# KiCad board st225_20527.kicad_pcb (continued)
## Routing (per net, layer and track width the routed paths; a pad name or vN(x,y) marks a point on that pad's centre or on a via; arc(x,y) is an arc through that point) (continued)
WRITE_FAULT: length 214.6
  Top w0.254: v1(86.36,17.65) 81.28,17.65 79.71,19.23 67.76,19.23 1C1.3 ; v1(51.31,61.21) v1(57.79,61.21)
  Top w0.762: 1C1.4 1C1.3
  Bottom w0.254: v1(86.36,17.65) 86.37,17.65 1D2.12 ; 8E1.12 83.18,161.92 81.91,160.66 81.91,145.29 80.14,143.51 RP7.4 78.74,140.59 78.74,136.14 76.2,133.6 70.48,133.6 68.58,131.7 68.58,127 67.31,125.73 67.31,123.44 62.74,118.87 62.74,115.7 61.6,114.55 60.2,114.55 55.88,110.24 55.88,105.03 47.12,96.27 47.12,68.2 49.02,66.29 52.96,66.29 57.79,61.47 v1(57.79,61.21) ; v1(51.31,61.21) 51.31,60.45 55.75,56.01 55.75,51.18 60.2,46.74 60.2,44.83 62.48,42.55 67.31,42.55 69.72,40.13 69.72,34.67 70.36,34.04 70.36,29.46 67.94,27.05 67.94,21.83 1C1.3
~{DC_UNSAFE}: length 71.5
  Top w0.254: v1(40.39,73.91) 37.85,71.37 21.84,71.37 20.7,72.52 18.01,72.52 4A1.10
  Bottom w0.254: v1(40.39,73.91) 40.39,74.8 38.99,76.2 38.99,103.89 44.34,109.24 5B1.37
~{INDEX}: length 16.9
  Bottom w0.254: 1D2.6 78.1,19.8 78.1,15.37 80.01,13.46 80.01,9.4 80.52,8.89 J1.20
~{OUT_EN}: length 192.2
  Top w0.254: 1D2.2 88.89,20.44 87.25,18.8 85.47,18.8 1D2.4 82.18,18.8 80.9,18.8 80.01,19.69 80.01,21.08 79.38,21.72 v1(77.47,21.72) 72.01,21.72 v1(71.25,22.48) 70.48,21.72 62.75,21.72 1C1.5 ; 4B1.10 4B1.5 v1(44.45,70.1)
  Bottom w0.254: 1D2.2 1D2.13 ; 1D2.9 77.47,14.09 v1(77.47,21.72) 74.17,25.02 74.17,26.8 77.34,29.97 77.34,31.86 1H1.6 77.34,34.67 77.34,40.01 76.58,40.77 72.64,40.77 69.47,43.94 62.74,43.94 61.47,45.21 61.47,47.88 57.02,52.32 57.02,57.4 55.37,59.06 55.37,60.33 51.31,64.39 46.99,64.39 44.45,66.93 v1(44.45,70.1) ; 1C1.9 57.65,14.1 46.86,14.1 44.45,16.51 44.45,24 42.93,25.53 ; 1C1.13 70.36,14.08 70.36,21.59 v1(71.25,22.48) ; 1C1.5 1C1.10
  Bottom w1.016: 1C1.9 1C1.10
~{READY}: length 8.7
  Bottom w0.254: 1D2.8 76.21,12.7 77.98,10.92 J1.22
~{SEEK_COMPLETE}: length 44.1
  Top w0.254: v1(93.22,12.07) 93.22,12.7 91.06,14.86 70.61,14.86 68.45,17.02 v1(64.01,17.02) ; 64.01,13.09 1C1.11
  Bottom w0.254: J1.8 95.76,8.13 v1(93.22,12.07) ; v1(64.01,17.02) 64.01,17.01 1C1.11
~{START}/RUN: length 114.1
  Top w0.254: 3B1.3 30.97,43.82 34.67,43.82 36.96,41.53 51.56,41.53 52.32,42.29 70.61,42.29 v1(74.17,45.85) ; R13.2 94.49,28.45 93.6,27.56 92.71,27.56 90.42,29.84 87.12,29.84 v1(86.36,30.61)
  Bottom w0.254: 2E1.1 102,23.1 99.46,25.64 97.02,25.64 95.63,27.03 95.63,31.62 R13.2 93.09,31.37 90.93,31.37 90.04,32.26 90.04,40.89 86.74,44.2 75.82,44.2 v1(74.17,45.85) ; v1(86.36,30.61) 86.37,30.6 1H1.12
~{TRACK000}: length 22.5
  Top w0.254: v1(90.17,18.42) 90.17,21.34 89.53,21.97 87.9,21.97 1D2.3
  Bottom w0.254: v1(90.17,18.42) 90.17,11.68 93.22,8.64 J1.10
~{WRITE_FAULT}: length 12.7
  Top w0.254: 1D2.11 83.82,12.7 86.36,10.16 v1(89.53,10.16)
  Bottom w0.254: v1(89.53,10.16) 90.68,9.02 J1.12
Net-(1B1A-B): length 10.8
  Top w0.254: 22.98,25.64 30.6,18.02
Net-(1B1A-Cext): length 2.9
  Bottom w0.762: C36.2 22.86,20.45 22.98,20.56
Net-(1B1A-Q): length 29.3
  Top w0.254: 3A1.2 16.26,41.52 v1(16.26,41.53)
  Bottom w0.254: v1(16.26,41.53) 16.26,25.02 19.69,21.59 21.46,21.59 22.98,23.1
Net-(1B1A-RCext): length 8.9
  Top w0.254: 20.32,17.91 17.69,17.91 C36.1
  Bottom w0.762: 22.98,18.02 22.86,17.91 20.32,17.91
Net-(1B1B-Cext): length 11.7
  Top w0.254: C44.2 20.07,28.07 21.46,29.46 27.05,29.46 28.33,28.18 30.6,28.18
Net-(1B1B-RCext): length 17.4
  Top w0.254: 30.6,30.72 28.46,30.72 27.05,32.13 21.97,32.13 20.54,30.7 20.54,30.6 18.02,30.6 15.49,28.07
Net-(1C1-Pad2): length 4.7
  Top w0.762: R10.1 C17.1
  Bottom w0.762: C17.1 69.09,22.83 1C1.2
Net-(1D2-Pad1): length 73.8
  Top w0.254: v1(60.45,35.31) 62.23,37.08 65.91,37.08 66.42,37.59 72.26,37.59 74.42,35.43 74.42,32.89 75.26,32.05 79.81,32.05 80.14,32.39 80.14,34.16 80.65,34.67 86.87,34.67 87.63,33.91 87.63,32.39 v1(88.9,31.12)
  Bottom w0.254: 1D2.1 90.17,21.71 90.17,26.8 90.81,27.43 93.73,27.43 94.49,28.19 94.49,29.84 93.6,30.73 89.28,30.73 v1(88.9,31.12) ; v1(60.45,35.31) 60.45,32.64 58.29,30.48 58.29,28.7 60.2,26.8 60.2,24.89 59.44,24.13 57.78,24.13 3J1.8
Net-(1H1-Pad2): length 155.2
  Bottom w0.254: 1H1.2 88.77,33.4 88.77,40.01 85.47,43.31 74.68,43.31 71.5,46.48 67.44,46.48 62.87,51.05 62.87,60.45 61.47,61.85 61.47,65.02 55.24,71.25 55.24,92.96 69.85,107.57 71.75,107.57 72.9,108.71 72.9,111 71.75,112.14 71.75,114.55 74.93,117.73 84.33,117.73 85.6,119 87,119 87.63,118.36 97.16,118.36 99.82,121.03 99.82,129.67 98.93,130.56 R21.1
Net-(1H1-Pad10): length 272.5
  Top w0.254: v1(123.06,25.91) 123.06,28.96 124.21,30.1 127,30.1 128.14,31.24 128.14,33.91 130.68,36.45 133.35,36.45 135.38,38.48 135.38,49.02 130.68,53.72 130.68,86.11 132.46,87.88 132.46,97.66 136.02,101.22 136.02,119.51 132.59,122.94 132.59,128.78 129.03,132.33 129.03,138.81 131.57,141.35 131.57,145.16 130.3,146.43 v1(130.3,149.48) ; 1H1.10 81.28,25.4 82.3,24.38 v1(93.34,24.38)
  Bottom w0.254: v1(93.34,24.38) 99.06,24.38 103,20.45 109.85,20.45 116.46,27.05 116.46,29.21 117.22,29.97 119,29.97 v1(123.06,25.91) ; v1(130.3,149.48) 130.3,159.13 127.89,161.54 127.89,179.58 135.64,187.33 135.64,192.66 131.19,197.1 R12.2
  Bottom w1.016: R12.2 104.9,194.56 C18.1
Net-(1H1-Pad11): length 26.5
  Top w0.254: 3J1.2 70.75,34.54 73.28,34.54 73.79,34.04 73.79,32.39 74.55,31.62 83.06,31.62 83.57,31.12 v1(83.82,31.12) 85.97,33.26 1H1.3
  Bottom w0.254: v1(83.82,31.12) 83.82,31.11 1H1.11
Net-(2E1-Pad2): length 113.8
  Top w0.254: R16.2 106.69,25.64 2E1.2 ; v1(97.41,55.12) 97.41,54.61 100.33,51.69 v1(100.33,50.93) ; v1(78.1,46.48) 77.72,46.48 72.9,41.66 52.96,41.66 52.2,40.89 35.31,40.89 34.93,41.28 30.97,41.28 3B1.2
  Bottom w0.254: v1(78.1,46.48) 78.23,46.36 90.55,46.36 97.41,53.21 v1(97.41,55.12) ; v1(100.33,50.93) 100.2,50.8 100.2,44.45 99.69,43.94 99.69,34.93 101.6,33.02 104.65,33.02 106.17,31.5 106.17,27.17 2E1.2
Net-(2E1-Pad3): length 68.5
  Top w0.254: v1(95.88,34.67) 98.93,31.62 v1(98.93,28.58)
  Bottom w0.254: 2E1.3 99.33,28.18 v1(98.93,28.58) ; v1(95.88,34.67) 95.88,50.04 103.25,57.4 103.25,85.6 104.14,86.49
Net-(2E1-Pad5): length 46.4
  Bottom w0.254: 107.82,71.5 105.92,71.5 104.65,70.23 104.65,58.04 97.79,51.18 97.79,31.49 97.02,30.72
Net-(3A1A-~{Q}): length 13.5
  Bottom w0.254: 3A1.6 21.57,50.42 23.62,50.42 24.26,49.78 24.26,42.68 3B1.13
Net-(3A1A-~{R}): length 30.9
  Top w0.254: RP12.2 32.77,40.26 21.59,40.26 3A1.1 20.3,38.99 16.64,38.99 14.1,41.52 12.69,41.52
  Bottom w0.254: 3A1.4 18.8,45.09 18.8,40.5 3A1.1
Net-(3A1B-D): length 11.3
  Bottom w0.254: 12.69,54.22 11.3,52.84 11.3,45.45 12.69,44.06
Net-(3A1B-Q): length 19.7
  Top w0.254: v1(16.38,51.56) 12.81,51.56 12.69,51.68
  Bottom w0.254: 4A1.2 16.38,63.5 16.38,60.96 16.51,60.83 16.51,51.69 v1(16.38,51.56)
Net-(3A1B-~{S}): length 29.2
  Top w0.254: 12.69,49.14 15.75,49.14 19.69,45.21 24.51,45.21 25.53,46.23 25.53,49.15 24.65,49.15 ; 24.65,49.15 24.64,49.14 3B1.10 ; 24.65,49.15 26.16,49.15 27.43,47.88 32.77,47.88 RP12.5
Net-(4A1A-Cext): length 13.4
  Top w0.254: 4A1.14 16,64.37 16,62.61 18.67,59.94 C22.2
Net-(4A1A-RCext): length 14
  Top w0.254: 4A1.15 14.22,63.61 14.22,60.96 15.24,59.94 C22.1 17.82,57.4 20.32,57.4
Net-(4A1B-Cext): length 15
  Bottom w0.254: 4A1.6 17.02,78.59 17.02,86.21 C23.2
Net-(4A1B-RCext): length 12.6
  Bottom w0.254: 4A1.7 17.65,80.5 17.65,83.44 R34.2 19.05,86.61 16.45,89.22 C23.1
Net-(4A1B-~{Q}): length 147.2
  Top w0.254: 5D1.39 74.41,129.79 87.12,129.79 87.63,130.31 6D1.13 ; 4A1.12 10.29,75.16 10.29,79.63 10.92,80.26 13.46,80.26 18.54,75.18 20.83,75.18 22.1,73.91 26.03,73.91 28.7,76.58 35.31,76.58 36.45,77.72 42.16,77.72 43.82,76.07 51.56,76.07 v1(52.58,75.06)
  Bottom w0.254: 6D1.13 87.63,130.43 87,129.79 87,125.1 81.53,119.63 73.03,119.63 72.39,119 71.75,119 67.31,114.55 67.31,111.25 63.5,107.44 63.5,105.03 52.58,94.11 v1(52.58,75.06)
Net-(4F1-COIL_A): length 2.6
  Bottom w0.508: 108.97,65.02 4F1.6
  Bottom w0.762: RP4.2 108.97,65.02
Net-(4F1-COIL_B): length 2.6
  Bottom w0.762: 4F1.7 108.97,62.48 RP4.3
Net-(4F1-FREF): length 12.1
  Bottom w0.254: Q7.3 116.7,54.32 4F1.1
  Bottom w0.762: R14.1 R15.1 116.82,60.06 4F1.1
Net-(4F1-SENSE): length 15.1
  Bottom w0.254: 4F1.5 112.27,67.68 ; 112.27,67.68 R23.2 ; 112.27,67.68 114.41,67.68 115.57,68.83 118.11,68.83 R17.2
Net-(5B1A-VCTAP): length 108.4
  Bottom w0.254: R44.1 107.31,165.61 106.17,166.75 103.76,166.75 102.36,168.15 102.36,170.43 101.73,171.07 100.33,171.07 99.82,170.56 99.82,169.16 98.55,167.89 85.85,167.89 82.04,164.08 82.04,161.54 81.28,160.78 81.28,152.4 65.53,136.65 65.53,125.48 58.42,118.36 51.82,118.36 49.53,116.08 49.53,109.71 5B1.39
Net-(5B1A-VHS): length 101.6
  Top w0.254: v1(85.22,165.35) v1(80.77,165.35)
  Bottom w0.254: v1(80.77,165.35) 79.38,163.96 79.38,160.91 80.65,159.64 80.65,153.16 64.9,137.41 64.9,126.11 57.91,119.13 47.75,119.13 47.12,118.49 47.12,109.84 5B1.38 ; v1(85.22,165.35) 101.09,165.35 103.65,162.79 8E1.20
Net-(5B1A-WDATA_IN+): length 126.6
  Top w0.254: R6.1 7.62,108.2 v1(7.62,112.14)
  Bottom w0.254: v1(7.62,112.14) 7.62,120.93 5B1.20 ; J2.14 11.3,9.4 12.06,10.16 12.06,12.07 9.4,14.73 9.4,42.04 5.59,45.85 5.59,62.48 6.86,63.75 6.86,105.16 8.51,106.81 R6.1
Net-(5B1A-WDATA_IN-): length 127.1
  Top w0.254: v1(13.46,11.43) 11.3,9.27 J2.13
  Bottom w0.254: 5B1.19 8.25,122.83 8.25,114.05 10.16,112.14 10.16,97.79 R6.2 8.51,96.65 7.62,95.76 7.62,63.25 6.22,61.85 6.22,46.61 10.03,42.8 10.03,15.37 13.46,11.94 v1(13.46,11.43)
Net-(5B1A-WDO+): length 125.4
  Top w0.254: v1(75.56,177.42) 76.33,178.18 83.34,178.18 9E1.8
  Top w0.762: R46.2 74.38,156.72 C6.1
  Bottom w0.254: v1(75.56,177.42) 75.56,172.85 73.03,170.31 73.03,161.67 74.29,160.4 C6.1 74.29,150.62 63.5,139.83 63.5,133.22 61.6,131.32 61.6,126.49 58.67,123.57 26.92,123.57 25.65,122.3 13.34,122.3 11.32,124.31 5B1.17
Net-(5B1A-WDO-): length 128.1
  Top w0.254: v1(13.97,120.4) 13.97,124.74 5B1.16 ; 9E1.7 84.48,176.78 v1(77.47,176.78)
  Bottom w0.254: v1(13.97,120.4) 14.73,121.16 26.67,121.16 27.69,122.17 59.69,122.17 64.13,126.62 64.13,138.56 75.56,149.99 75.56,171.2 77.47,173.1 v1(77.47,176.78)
  Bottom w0.762: R46.1 76.75,166.8 C6.2
Net-(5B1A-WRITE_CUR): length 48.8
  Top w0.254: R8.1 41.15,104.52 38.48,101.85 R7.2 ; v1(19.05,119.76) 19.05,124.74 5B1.14
  Top w1.016: R11.1 R8.1
  Bottom w0.254: R7.2 33.15,101.85 30.48,104.52 30.48,111 28.83,112.65 24.89,112.65 22.86,114.68 22.86,119.76 22.23,120.4 19.69,120.4 v1(19.05,119.76)
Net-(5B1A-WRT_OK): length 83.5
  Top w0.254: v1(21.59,119.13) 21.59,124.74 5B1.13
  Bottom w0.254: v1(21.59,119.13) 21.59,112.01 20.32,110.74 20.32,105.66 22.23,103.76 28.19,103.76 30.48,101.47 30.48,91.06 31.75,89.79 31.75,73.79 4B1.6 32.26,70.99 32.26,67.56 34.29,65.53 34.29,54.48 33.02,53.21 RP12.7
Net-(5B1A-~{WRT_FAULT}): length 97.1
  Bottom w0.254: 5B1.36 41.8,108.35 37.97,104.52 37.97,75.95 38.86,75.06 38.86,72.52 41.27,70.1 41.27,62.99 50.16,54.1 50.16,48.39 56.51,42.04 56.51,35.69 55.24,34.42 55.24,24.26 R10.2
Net-(5B1B-+GAIN): length 3.3
  Bottom w1.016: R4.2 44.34,125.08 5B1.4
Net-(5B1B--GAIN): length 2.6
  Bottom w1.016: L5.2 5B1.3
Net-(5B1B-DI+): length 28.1
  Bottom w1.016: TP1.1 52.2,141.35 59.69,133.86 L3.2 59.69,130.3 R3.1 59.94,127.33 C7.2 54.61,127.25 52.2,124.85 5B1.1
Net-(5B1B-DI-): length 13.3
  Bottom w1.016: 5B1.2 49.42,126.81 C7.1 49.78,127.33 R3.2 50.16,130.43 TP2.1 50.3,133.23 L4.2
Net-(5B1B-DO+): length 25.1
  Bottom w0.254: 5B1.7 38.1,126.22 38.1,130.94 R45.2 32.77,132.21 31.37,133.6 25.36,133.6 C10.1
  Bottom w1.016: R45.2 R48.1
Net-(5B1B-DO-): length 18.3
  Bottom w0.254: C13.1 25.23,128.52 30.5,128.52 5B1.8 34.42,124.85 R47.1
  Bottom w1.016: R49.1 R47.1
Net-(5B1C-+C1): length 30.1
  Bottom w0.254: 5B1.9 30.38,126.11 23.49,126.11 21.72,127.89 21.72,129.79 21.63,129.79 C10.2 ; C10.2 19.09,132.42 13.97,137.54 R51.1 ; C10.2 16.51,129.75 R50.1
Net-(5B1C-+C2): length 40.5
  Top w0.254: C42.1 5.08,141.78 L9.2
  Bottom w0.254: C42.1 9.02,135.64 13.97,130.68 R51.2 12.57,126.49 12.57,124.21 13.84,122.94 24.65,122.94 5B1.11
  Bottom w1.016: 5B1.11 5B1.10
Net-(5B1C--C2): length 31.1
  Bottom w0.254: R50.2 15.11,139.45 12.95,139.45 R52.1 11.56,135.64 15.24,131.95 15.24,124.08 15.75,123.57 22.73,123.57 24.01,124.85 5B1.12
Net-(5B1C-OA): length 40.6
  Top w0.254: RP1.3 28.05,81.53 v1(33.02,81.53)
  Bottom w0.254: 5B1.29 22.86,108.44 22.86,106.3 24.13,105.03 28.7,105.03 33.02,100.71 v1(33.02,81.53)
Net-(5B1C-TMG1): length 20.6
  Top w1.016: R5.1 31.79,94.27 C14.1
  Bottom w0.254: C14.1 35.56,95.54 35.56,102.49 34.8,103.25 33.66,103.25 33.02,103.89 33.02,108.44 5B1.33
Net-(5B1C-TMG2): length 5
  Top w1.016: R32.1 31.54,106.98 C39.2
  Bottom w1.016: R32.1 31.64,107.08 5B1.32
Net-(5B1C-TMG3): length 6.1
  Bottom w1.016: 5B1.31 29.1,109.49 R36.2 26.59,106.98 C15.1
Net-(5B1C-TMG4): length 8.7
  Top w0.254: 5B1.30 25.16,108.2 22.86,108.2 R43.1
  Top w1.016: C41.2 21.64,106.98 R43.1
Net-(5D1-CNTR): length 180.8
  Top w0.254: 6D1.11 83.94,130.3 85.72,130.3 86.36,130.94 86.36,132.33 87.12,133.1 88.39,133.1 88.9,132.59 88.9,130.94 89.53,130.3 93.6,130.3 94.74,129.16 94.74,127.38 95.12,127 96.39,127 97.28,127.89 97.28,129.67 98.04,130.43 104.27,130.43 v1(106.68,132.84) ; v1(51.31,69.47) 47.12,65.28 32.64,65.28 31.62,66.29 24.26,66.29 4B1.11
  Bottom w0.254: 5D1.21 115.67,131.7 107.82,131.7 v1(106.68,132.84) ; 4B1.8 21.46,73.66 21.46,69.09 4B1.11 ; v1(51.31,69.47) 50.67,70.1 50.67,94.74 62.23,106.3 62.23,108.84 66.04,112.65 66.04,115.7 70.61,120.27 71.25,120.27 71.88,120.9 80.14,120.9 82.04,122.81 82.04,129.92 82.56,130.43 6D1.11 82.56,136.77 6D1.3
  Bottom w0.762: 6D1.3 85.22,139.43 RP7.2
Net-(5D1-PA1): length 11.5
  Bottom w0.254: 6D1.5 80.01,139.3 80.01,134.24 78.74,132.97 78.74,130.81 78.21,130.28 5D1.37
Net-(5D1-PA4): length 126.3
  Top w0.254: v1(45.85,117.73) 46.1,117.73 47.5,116.33 49.78,116.33 50.55,117.09 59.18,117.09 60.32,118.24 66.68,118.24 68.58,120.14 68.58,123.57 70.74,125.73 83.31,125.73 85.83,128.25 5D1.34 ; 4B1.12 24.13,63.88 v1(42.54,63.88)
  Bottom w0.254: v1(45.85,117.73) 45.85,106.43 44.96,105.54 42.54,105.54 40.26,103.25 40.26,76.84 41.91,75.18 41.91,64.52 v1(42.54,63.88)
Net-(5D1-PB0): length 59.6
  Top w0.254: 98.53,128.52 103.23,123.83 118.24,123.83 119.89,122.17 v1(128.4,122.17)
  Bottom w0.254: 7F1.15 125.23,146.29 126.49,145.03 126.49,141.22 128.91,138.81 128.91,122.68 v1(128.4,122.17)
Net-(5D1-PB1): length 55.1
  Top w0.254: 5D1.28 104.88,124.71 v1(126.49,124.71)
  Bottom w0.254: 7F1.14 120.8,145.67 120.14,145.67 118.75,144.27 118.75,142.62 123.82,137.54 123.82,133.73 126.49,131.06 v1(126.49,124.71)
Net-(5D1-PB2): length 49.1
  Top w0.254: 5D1.27 106.66,125.48 121.92,125.48 122.43,125.98 v1(123.95,125.98)
  Bottom w0.254: v1(123.95,125.98) 123.95,130.94 121.41,133.48 121.41,137.29 116.2,142.49 116.2,144.53 116.71,145.03 118.24,145.03 120.15,146.95 7F1.13
Net-(5D1-PB3): length 26
  Top w0.254: 5D1.26 109.09,131.46 v1(109.09,132.97)
  Bottom w0.254: 7F1.12 116.22,146.18 112.39,146.18 111.12,144.91 111.12,135 v1(109.09,132.97)
Net-(5D1-PB4): length 26.1
  Top w0.254: 6F1.15 127.64,132.73 121.03,126.11 111.1,126.11 5D1.25
Net-(5D1-PB5): length 21.4
  Top w0.254: 6F1.14 125.1,131.33 120.4,126.62 113.13,126.62 5D1.24
Net-(5D1-PB6): length 16.7
  Top w0.254: 5D1.23 115.16,127.13 119.76,127.13 122.56,129.93 6F1.13
Net-(5D1-PB7): length 11.6
  Top w0.254: 5D1.22 117.84,130.05 120.27,130.05 121.28,131.06 121.28,134.87 6F1.12
Net-(5D1-PC0): length 72.9
  Top w0.254: v1(92.07,120.78) 93.47,122.17 95.88,122.17 96.52,121.54 113.28,121.54 118.85,115.97 5D1.20
  Bottom w0.254: 7E1.7 88.92,153.92 87.76,153.92 87,153.16 87,150.24 89.03,148.21 89.03,146.43 92.71,142.75 92.71,141.48 93.98,140.21 93.98,134.87 92.07,132.97 v1(92.07,120.78)
Net-(5D1-PC1): length 59.3
  Top w0.254: v1(94.74,120.9) 112.14,120.9 116.31,116.73 5D1.19
  Bottom w0.254: v1(94.74,120.9) 94.74,128.91 92.71,130.94 92.71,132.46 95.25,135 95.25,145.8 94.74,146.3 91.69,146.3 90.31,147.69
Net-(5D1-PC2): length 68.6
  Top w0.254: v1(89.53,120.27) 90.17,119.63 95.88,119.63 96.52,120.27 109.73,120.27 113.77,116.23 5D1.18
  Bottom w0.254: 7E1.8 86.49,154.03 86.49,146.94 89.66,143.76 89.66,143.13 ; 89.66,143.13 89.66,141.86 91.44,140.08 91.44,136.14 88.9,133.6 88.9,130.3 89.53,129.67 v1(89.53,120.27) ; 89.66,143.13 89.66,142.88
Net-(5D1-PC3): length 46.6
  Top w0.254: 5D1.17 111.23,115.72 108.08,118.87 88.14,118.87 84.84,122.17 v1(79.5,122.17)
  Bottom w0.254: v1(79.5,122.17) 79.5,129.92 80.01,130.43 6D1.10
Net-(5D1-PC4): length 168.3
  Top w0.254: v1(60.2,59.82) v1(54.23,59.82) ; v1(83.31,119.63) 86.36,119.63 88.01,117.98 103.99,117.98 5D1.16 ; v1(71.63,35.69) 71.63,36.07 70.61,37.08 66.8,37.08 v1(65.53,35.81)
  Bottom w0.254: v1(60.2,59.82) 60.2,63.75 53.98,69.98 53.98,94.23 64.13,104.39 64.13,106.93 67.94,110.74 67.94,114.05 68.07,114.05 72.26,118.24 73.03,118.24 73.79,119 82.68,119 v1(83.31,119.63) ; v1(65.53,35.81) 65.53,28.19 64.14,26.8 3J1.11 ; v1(71.63,35.69) 72.26,36.32 72.26,40.01 68.96,43.31 62.48,43.31 60.83,44.96 60.83,47.24 56.39,51.69 56.39,56.9 54.23,59.06 v1(54.23,59.82)
Net-(5D1-PC5): length 152
  Top w0.254: v1(86.49,117.6) 87.25,116.84 102.87,116.84 106.15,113.56 5D1.15 ; v1(64.77,51.56) v1(52.32,51.56)
  Bottom w0.254: v1(86.49,117.6) 85.85,116.97 76.71,116.97 74.42,114.68 74.42,108.71 72.64,106.93 70.48,106.93 55.88,92.33 55.88,71.88 62.23,65.53 62.23,62.36 64.77,59.82 v1(64.77,51.56) ; 3J1.9 59.06,25.52 57.66,26.92 57.66,41.78 52.32,47.12 v1(52.32,51.56)
Net-(5D1-PC6): length 192.2
  Top w0.254: 5D1.14 101.45,115.44 75.18,115.44 74.29,114.55 74.29,112.27 73.28,111.25 69.98,111.25 65.53,115.7 v1(54.86,115.7) ; v1(93.09,28.96) 93.09,33.91 v1(91.44,35.56) ; v1(43.31,78.49) 45.09,76.71 53.98,76.71 55.24,75.44 57.91,75.44 v1(58.04,75.31)
  Bottom w0.254: v1(93.09,28.96) 90.17,28.96 88.91,27.69 1H1.13 ; v1(54.86,115.7) 51.31,115.7 50.8,115.19 50.8,106.43 43.31,98.93 v1(43.31,78.49) ; v1(58.04,75.31) 58.04,71.12 62.99,66.17 62.99,63.12 66.17,59.94 66.17,48.9 67.82,47.24 74.8,47.24 77.09,44.96 87,44.96 91.44,40.51 v1(91.44,35.56)
Net-(5D1-PC7): length 99.1
  Bottom w0.254: 1H1.1 91.44,33.28 92.84,34.67 92.84,47.88 102.23,57.28 102.23,85.34 93.98,93.6 93.98,110.11 92.07,112.01 92.07,113.92 92.71,114.55 99.82,114.55 101.07,113.3 5D1.13
Net-(5D1-XTLI): length 35.5
  Bottom w0.254: Y1.2 124.64,114.43 107.82,114.43 107.31,113.92 107.31,112.52 106.17,111.38 95.35,111.38 5D1.10
Net-(5D1-~{NMI}): length 23.8
  Bottom w0.254: 5D1.40 70.59,126.09 68.58,124.08 68.58,122.17 64.13,117.73 64.13,114.68 59.18,109.73 59.18,109.47
Net-(6D1A-~{R}): length 11.4
  Top w0.254: 6D1.1 90.18,139.31 88.9,140.59 83.84,140.59 6D1.4
  Bottom w0.762: RP7.3 82.56,141.86 6D1.4
Net-(6F1-4): length 18.3
  Bottom w0.254: 6F1.5 121.81,145.54 122.81,145.54 123.95,146.69 123.95,149.99 121.41,152.53 121.41,155.7 120.15,156.96 RP10.4
Net-(6F1-9): length 37.3
  Bottom w0.254: RP10.2 125.23,158.12 124.08,156.97 122.17,156.97 121.28,157.86 121.28,159.26 120.9,159.64 119.51,159.64 118.75,158.88 118.75,146.81 117.47,145.54 114.81,145.54 113.66,144.4 113.66,139.95 6F1.11
Net-(7E1-1/2_STEP): length 15.7
  Top w0.254: v1(80.65,146.3) 86.38,146.3 87.77,147.69
  Bottom w0.254: v1(80.65,146.3) 78.36,146.3 75.06,143 RP7.6
Net-(7E1-PH0): length 23.5
  Top w0.254: R39.1 114.43,161.29 109.6,161.29 107.82,159.51 107.82,157.61 106.93,156.72 103.38,156.72 102.87,157.23 RP5.2
  Bottom w0.508: RP5.2 102.87,155.45 7E1.2
Net-(7E1-PH1): length 29.9
  Top w0.254: R40.1 111.12,163.58 107.19,159.64 107.19,157.86 106.55,157.23 104.39,157.23 104.14,157.48 104.14,159.26 103.76,159.64 96.01,159.64 95.25,158.88 95.25,158.24 96.27,157.23 98.55,157.23 7E1.3
Net-(7E1-PH2): length 54.7
  Top w0.254: R41.1 119.25,159.89 111.63,159.89 111.12,159.39 111.12,157.73 110.24,156.85 109.47,156.85 107.95,155.32 107.95,154.05 107.31,153.42 100.2,153.42 99.19,154.43 99.19,155.83 98.42,156.59 94.23,156.59 v1(93.98,156.85) 91.69,156.85 90.17,158.37
  Bottom w0.254: v1(93.98,156.85) 93.98,154.56 100.47,148.07 100.47,147.69
Net-(7E1-PH3): length 52.9
  Top w0.254: RP5.3 100.33,157.35 101.73,155.96 101.73,154.43 102.11,154.05 106.55,154.05 107.06,154.56 107.06,155.58 108.58,157.1 108.58,159.26 109.85,160.53 117.47,160.53 122.81,165.86 128.91,165.86 R42.1
  Bottom w0.254: 103.01,147.69 103.63,148.32 103.63,152.53 101.73,154.43 101.73,156.97 RP5.3
Net-(7E1-SET): length 13.1
  Bottom w0.254: 7E1.6 92.85,154.68 99.19,148.34 99.19,145.03 Q9.1
Net-(7F1-4): length 4.1
  Bottom w0.254: 7F1.5 115.07,157.72 RP10.6
Net-(7F1-9): length 12.8
  Bottom w0.254: 7F1.11 111.25,151.38 111.25,156.85 109.99,158.11 RP10.8
Net-(8E1-12V): length 23
  Top w1.016: R75.1 C1.1
  Bottom w1.016: 79.63,158.37 78.1,159.89 78.1,164.97 78.87,165.74 78.87,169.5 ; 78.87,169.5 77.17,169.5 C1.1 ; 78.87,169.5 80.75,169.5 8E1.10 9E1.12
Net-(8E1-IWR1): length 116.8
  Top w0.254: v1(52.2,120.9) 53.59,119.51 65.53,119.51 67.31,121.29 67.31,124.71 69.34,126.75 69.34,129.41 69.72,129.79 72.52,129.79 73.66,130.94 73.66,132.59 75.06,133.99 v1(81.15,133.99)
  Bottom w0.254: R11.2 35.56,108.2 35.56,111.38 36.96,112.78 42.16,112.78 43.82,114.43 43.82,119.51 45.21,120.9 v1(52.2,120.9) ; v1(81.15,133.99) 81.28,134.11 81.28,143.26 82.55,144.53 82.55,159.13 83.69,160.27 85.72,160.27 87,161.54 87,162.94 88.14,164.08 99.19,164.08 101.11,162.16 8E1.19
Net-(8E1-IWR2): length 103.9
  Top w0.254: v1(54.61,120.9) 55.24,120.27 65.02,120.27 66.68,121.92 66.68,125.1 68.71,127.13 68.71,129.79 69.34,130.43 71.75,130.43 73.03,131.7 73.03,132.97 75.44,135.38 82.55,135.38 v1(83.95,133.99)
  Bottom w0.254: v1(54.61,120.9) 53.34,119.63 45.72,119.63 44.58,118.49 44.58,113.41 42.67,111.51 39.5,111.51 38.1,110.11 38.1,108.33 R8.2 ; v1(83.95,133.99) 83.95,135.64 86.36,138.05 86.36,142.62 83.44,145.54 83.44,154.81 85.85,157.23 85.85,158.62 88.41,161.18 8E1.14
Net-(8E1-VCTAP): length 7.1
  Bottom w1.016: C2.1 107.31,171.83 105.02,169.54 8E1.1
Net-(8E1-~{HDSEL4}): length 7.9
  Top w0.254: 90.95,161.92 89.06,160.02 85.85,160.02 84.46,158.62
Net-(9E1-DO+): length 4.7
  Top w0.254: C5.1 76.96,182.25 78.5,180.71 9E1.10
Net-(9E1-DO-): length 8.2
  Top w0.254: 9E1.9 82.13,181.92 79.7,181.92 C4.1
Net-(9E1-G+): length 25.5
  Top w0.254: 90.95,180.71 86.39,176.15 78.61,176.15 77.98,175.51 75.61,175.51 C19.1
  Bottom w1.016: C45.1 C19.1
Net-(9E1-G-): length 31.5
  Top w0.254: v1(73.15,175.01) 78.36,175.01 78.99,175.64 88.42,175.64 9E1.5
  Bottom w0.254: v1(73.15,175.01) 71.75,173.61 C19.2
  Bottom w1.016: C45.2 C19.2
Net-(C3-Pad1): length 8.6
  Bottom w0.762: L2.2 59.69,154.61
  Bottom w1.016: L2.2 56.6,151.85 C3.1 L4.1
Net-(C3-Pad2): length 12.5
  Bottom w1.016: L3.1 59.69,149.29 64.77,154.37 L1.2 C3.2
Net-(C4-Pad2): length 3.6
  Bottom w1.016: R1.2 66.58,185.04 C4.2
Net-(C5-Pad2): length 7.8
  Bottom w1.016: C5.2 66.5,181.99 63.12,181.99 60.96,184.15 R2.2
Net-(C9-Pad1): length 11.7
  Bottom w1.27: L5.1 45.97,136.78 C9.1
Net-(C9-Pad2): length 2.9
  Bottom w1.27: R4.1 41.15,137.16 C9.2
Net-(C11-Pad1): length 2.6
  Bottom w1.016: C11.1 26.67,135
Net-(C12-Pad1): length 2.6
  Bottom w1.016: C12.1 26.67,129.79
Net-(C13-Pad2): length 15.2
  Top w0.254: R52.2 12.95,126.49 18.2,126.49 C13.2
  Top w1.016: R52.2 11.51,127.84 C42.2
  Bottom w0.254: C42.2 5.55,127.84 L9.1
Net-(C20-Pad2): length 4.5
  Bottom w1.016: R26.1 C20.2
Net-(CR1-A): length 33.1
  Bottom w0.254: CR1.2 113.03,49.66 115.06,47.62 115.06,38.1 Q6.3 109.98,38.86 102.11,38.86 RP6.5
Net-(CR2-K): length 27.7
  Bottom w0.254: Q5.1 100.84,36.96 100.33,37.47 100.33,41.91 101.47,43.05 101.47,43.31
  Bottom w0.508: CR2.1 107.57,22.86 106.68,22.86 106.3,23.24 106.3,25.4 107.06,26.16 107.06,32.39 104.78,34.67 Q5.1
Net-(CR3-K): length 51.5
  Top w0.762: v1(106.43,99.31) 106.55,99.19 Q1.1
  Bottom w1.016: R20.1 R28.1 CR3.1 100.33,103.51 104.52,99.31 v1(106.43,99.31) ; Q3.1 115.12,77.72 117.22,77.72 118.75,79.25 118.75,86.87 113.66,91.95 113.66,97.28 115.57,99.19 Q1.1
Net-(D5-K): length 3.1
  Bottom w0.254: D5.1 109.22,188.72 R12.1
Net-(J5-Pin_2): length 16.4
  Bottom w0.254: J5.2 81.98,185.61 79.38,183.01 79.38,179.83 85.87,173.34 9E1.13
Net-(J5-Pin_4): length 15.2
  Bottom w0.254: J5.4 85.85,184.35 85.85,182.5 84.58,181.23 84.58,178.05 88.41,174.22 9E1.14
Net-(J5-Pin_6): length 15.2
  Bottom w0.254: J5.6 88.39,184.35 88.39,182.63 87.12,181.36 87.12,178.18 90.95,174.35 90.95,173.09
Net-(J5-Pin_8): length 14.1
  Bottom w0.254: J5.8 90.93,184.35 90.93,182.63 92.2,181.36 92.2,178.18 93.47,176.91 93.47,173.11 9E1.16
Net-(J5-Pin_10): length 7.7
  Bottom w0.254: J5.10 92.77,185.61 93.98,184.4 95.5,184.4 96.03,183.88 96.03,180.71
Net-(J5-Pin_12): length 7.7
  Bottom w0.254: 98.57,180.71 98.55,180.73 98.55,183.9 97.99,184.46 96.46,184.46 95.31,185.61 J5.12
Net-(J5-Pin_14): length 7.7
  Bottom w0.254: 9E1.2 101.09,180.73 101.09,183.9 100.58,184.4 99.19,184.4 97.98,185.61 J5.14
Net-(J5-Pin_16): length 7.6
  Bottom w0.254: 9E1.1 103.65,183.75 103,184.4 101.73,184.4 100.52,185.61 J5.16
Net-(J6-Pin_1): length 57.8
  Top w1.016: J6.1 115.07,190.25 117.47,192.66 126.75,192.66 130.3,189.1 130.3,184.79
  Bottom w1.016: 130.3,184.79 126.49,180.98 126.49,159.89 127.77,158.61 RP10.1 ; TP7.1 115.07,190.89 J6.1
Net-(J6-Pin_2): length 42.7
  Top w1.016: 123.82,184.79 122.43,184.79 J6.2
  Bottom w1.016: TP6.1 121.28,193.29 J6.2 ; 123.82,184.79 123.82,171.7 121.54,169.42 121.54,161.93 122.69,160.77 RP10.3
Net-(J6-Pin_3): length 47.8
  Bottom w1.016: 114.05,182.5 111.76,184.79 111.12,184.79 ; 114.05,182.5 119,182.5 120.15,183.65 J6.3 123.95,193.42 TP5.1 ; 114.05,182.5 114.05,161.8 112.52,160.27 112.53,160.26 RP10.7
Net-(J6-Pin_5): length 48.2
  Top w1.016: 117.6,184.79 119.13,184.79 v1(122.05,181.86) 124.84,181.86 126.75,183.77 126.75,188.09 J6.5
  Bottom w1.016: TP4.1 126.36,193.8 J6.5 ; RP10.5 117.61,159.9 119.89,162.18 119.89,179.71 v1(122.05,181.86)
Net-(J7-Pin_11): length 51.2
  Top w0.254: v1(40.64,30.61) 40.77,30.48 56.13,30.48 56.64,30.99 62.1,30.99 63.12,29.97 68.72,29.97 3J1.1
  Bottom w0.254: R62.1 v1(40.64,30.61)
  Bottom w0.762: J7.15 J7.9 ; J7.13 R61.2 ; J7.11 R62.1
Net-(L1-Pad1): length 5.4
  Bottom w0.762: 64.77,172.72 v1(64.9,172.59) 64.77,172.47
  Bottom w1.016: L1.1 64.77,172.47 ; R1.1 v1(64.9,172.59)
Net-(L2-Pad1): length 5.1
  Bottom w1.016: L2.1 v1(59.69,172.59) R2.1
Net-(Q1-B): length 24.6
  Top w0.762: v1(108.33,94.23) 108.46,94.11 Q1.3
  Bottom w1.016: v1(108.33,94.23) 108.33,100.08 104.01,104.39 R22.1 R20.2
Net-(Q2-B): length 63.7
  Top w0.762: Q2.3 v1(112.14,103)
  Bottom w0.254: RP4.1 107.82,68.83 109.22,68.83 110.74,70.36
  Bottom w0.762: v1(112.14,103) 110.24,101.09 110.24,91.95 ; 110.74,70.36 110.74,78.23 109.85,79.12 109.85,90.3 110.24,90.68 110.24,91.95 ; RP3.2 95.36,104.28 107.7,91.95 110.24,91.95
Net-(Q2-E): length 31.9
  Bottom w1.016: Q4.1 112.78,86.61 112.39,86.23 ; 112.39,86.23 112.39,88.65 R27.1 111.63,99.44 113.66,101.47 113.66,106.17 115.57,108.08 Q2.1 ; 112.39,86.23 112.39,81.53
Net-(Q3-B): length 33.3
  Top w0.762: v1(109.09,76.2) 111.31,76.2 Q3.3
  Bottom w0.762: v1(109.09,76.2) 107.95,77.34 107.95,89.15 R29.1 105.41,91.69 100.08,91.69 97.79,93.98 R28.2
Net-(Q4-B): length 64.5
  Top w0.762: Q4.3 114.81,81.53 112.78,83.57 108.97,83.57 v1(105.79,80.39)
  Bottom w0.254: RP3.4 95.25,99.08 95.25,93.73 99.82,89.15 104.39,89.15 105.92,87.63 105.92,85.34 104.65,84.07 104.65,81.53 v1(105.79,80.39) 105.79,76.58 109.85,72.52 109.85,70.49 108.84,69.47 106.04,69.47 105.28,68.71 105.28,61.21 RP4.4
Net-(Q5-B): length 16.9
  Top w0.762: Q5.3 109.98,38.1 112.65,41.02 Q6.1
  Bottom w0.254: Q6.1 112.78,40.89 101.6,40.89 101.47,40.77
Net-(Q6-B): length 18.4
  Bottom w0.254: Q6.2 114.3,39.88 114.3,41.78 113.54,42.55 104.78,42.55 RP6.2
Net-(Q7-B): length 82.8
  Top w0.254: R14.2 128.4,66.17 123.95,66.17 v1(121.28,63.5)
  Bottom w0.254: C21.2 110.03,112.01 117.47,112.01 121.92,107.57 121.92,72.9 129.54,65.28 R14.2 ; Q7.2 121.16,55.94 121.16,63.37 v1(121.28,63.5)
Net-(Q9-B): length 7.3
  Top w0.254: R21.2 96.52,144.27 Q9.2
  Top w0.762: R21.2 R37.1
Net-(Q9-C): length 3
  Bottom w0.508: Q9.3 93.98,141.86
Net-(RP6A-R1.1): length 81.3
  Top w0.254: v1(95.88,53.85) 97.16,53.85 98.81,52.2 98.81,50.67 101.09,48.39 RP6.1 ; 3B1.4 30.85,46.48 34.04,46.48 36.58,49.02 39.62,49.02 41.91,46.74 53.34,46.74 54.23,45.85 61.21,45.85 62.48,44.58 63.37,44.58 67.06,48.26 69.72,48.26 v1(70.48,49.02)
  Bottom w0.254: v1(70.48,49.02) 71.25,48.26 90.3,48.26 v1(95.88,53.85)
Net-(RP12E-R5.2): length 25.8
  Top w0.254: v1(32.38,61.21) 24.26,61.21 4B1.13
  Bottom w0.254: v1(32.38,61.21) 32.38,58.93 29.08,55.63 29.08,50.93 29.72,50.29 32.89,50.29 RP12.6
Net-(RP12G-R7.2): length 18.3
  Bottom w0.254: 4B1.3 33.53,62.1 33.53,55.75 31.83,54.05 31.83,52.79 3B1.6
  Bottom w0.762: 4B1.3 4B1.4

## Copper pours and planes (outline as drawn; the poured copper is in the pictures)
+5V on Bottom: 32.26,34.29 34.42,34.29 35.05,34.93 37.97,34.93 40.01,36.96 41.15,36.96 42.8,35.31 43.18,35.31 43.18,36.83 41.78,38.23 32.26,38.23
+5V on Bottom: 106.04,12.83 110.36,17.15 114.68,17.15 119.38,21.84 119.38,28.07 116.97,28.07 116.97,23.88 112.9,19.81 102.23,19.81 98.55,23.5 92.07,23.5 92.07,25.91 90.68,25.91 90.68,21.84 92.58,21.84 92.58,15.11 90.81,13.34 90.81,12.45 91.95,12.45 94.87,15.37 99.82,15.37 102.36,12.83
+5V on Bottom: 13.08,32.77 14.99,34.67 14.99,40.89 13.97,40.89 12.19,39.12 12.19,33.66
+5V on Bottom: 13.21,56.26 12.32,57.15 11.56,57.15 10.29,58.42 10.29,60.58 10.67,60.96 10.67,64.01 12.95,66.29 14.48,66.29 14.48,62.61 13.21,61.34
+12V on Bottom: 77.85,105.28 77.86,111.37 76.58,112.65 76.58,115.06 77.98,116.46 87.5,116.46 88.77,117.73 99.06,117.73 103.5,122.17 103.5,126.11 101.98,127.64 101.98,131.7 102.11,131.83 102.87,131.83 105.16,129.54 105.16,121.79 99.82,116.46 89.53,116.46 88.26,115.19 80.77,115.19 79.63,114.05 79.63,112.14 78.86,111.3 78.85,106.32 78.87,105.28
+12V on Bottom: 120.27,31.24 124.59,26.92 125.73,26.92 125.86,27.05 125.86,29.21 121.16,33.91 112.01,33.91 112.01,31.37 112.14,31.24
GND on Top: 2.54,7.75 2.54,11.3 4.95,11.3 6.73,13.08 6.73,28.7 7.37,29.34 7.37,35.31 6.1,36.58 0.63,36.58 -0.13,37.34 -0.13,53.34 -0.25,53.47 -0.13,53.59 2.54,53.59 3.68,54.74 3.68,63.88 5.33,65.53 5.33,86.36 3.3,88.39 3.3,97.41 2.03,98.68 0.76,98.68 -0.25,99.7 -0.25,131.19 1.02,132.46 2.29,132.46 3.68,133.99 3.81,145.29 11.68,145.29 20.45,139.7 29.72,138.18 35.43,138.68 41.4,140.59 43.94,141.86 45.72,143.26 46.86,144.15 48.9,145.8 50.67,148.21 51.43,148.97 51.56,148.97 53.21,151.77 55.5,156.72 56.26,160.78 56.51,164.72 55.12,173.1 54.99,190.25 58.04,190.5 60.96,192.15 61.98,193.8 62.23,196.09 62.23,198.63 130.17,198.63 136.27,192.53 136.27,177.93 134.11,177.93 133.22,177.04 133.22,167 133.35,166.88 131.95,165.48 131.83,165.48 131.7,165.35 131.7,145.67 133.35,144.02 133.35,134.37 134.49,133.22 136.4,133.22 136.4,99.06 136.02,98.68 134.11,98.68 133.35,97.92 133.35,88.01 131.7,86.36 131.7,66.17 133.35,64.52 133.35,54.61 133.98,53.98 136.14,53.98 136.4,53.72 136.4,39.24 132.97,35.81 128.65,35.81 128.65,30.99 129.03,30.61 129.03,11.94 129.16,11.68 136.14,11.68 136.27,11.43 136.27,1.78 113.92,1.78 113.92,9.02 111.25,11.68 104.01,11.68 104.01,8 61.72,8 61.72,8.87 61.1,9.21 61.09,10.16 60.07,11.18 29.46,11.18 27.18,8.89 27.18,7.75
GND on Bottom: 0.25,40.01 7.49,40.01 7.49,29.34 0.25,29.34
GND on Bottom: 126.87,29.21 136.02,29.21 136.14,38.23 132.59,38.23 130.05,35.69 126.87,35.69
GND on Bottom: 13.08,6.35 14.6,6.35 14.6,8.26 15.75,9.4 18.67,9.4 18.67,6.35 21.46,6.35 21.46,9.02 20.32,9.02 20.32,11.68 20.83,12.19 24.51,12.19 24.51,8.51 23.75,8.51 23.75,6.35 26.92,6.35 26.92,8.51 26.03,8.51 26.03,14.22 24.77,14.22 24.77,13.46 18.54,13.46 13.08,8
GND on Bottom: 66.8,198.12 55.12,198.12 55.12,190.88 66.8,190.88
Net-(J3-Pin_1) on Bottom: 126.49,12.83 126.49,10.8 130.81,4.7 133.22,4.7 133.22,6.22 128.27,12.83
Net-(J3-Pin_4) on Bottom: 121.54,10.41 118.24,4.7 116.2,4.7 116.2,6.99 119.51,12.83 121.54,12.83

## Text on the board
Bottom: J2 | 2 | J7 | J1 | 7 | J3 | 4 | 0 | 3 | 1 | J4 | J5 | J6 | CONTROL | ASSY   20527    REV | SEAGATE TECHNOLOGY
User.Drawings: WHITE BODGE / WIRE | CUT TRACE | This work is licensed under a Creative Commons / Attribution-ShareAlike 4.0 International License. / See https://creativecommons.org/licenses/by-sa/4.0/. | ASSY 20527 / Reverse Engineered by Tube Time | ST-225 CONTROL
Top: 1 | 19 | REV 2267 | 20528-001
